# Allegro board LED_FIN.brd (continued)
## Nets (continued)
COL_OUT_A57: D2283.1(CATHODE) D2313.1(CATHODE) D2343.1(CATHODE) D2373.1(CATHODE) D2403.1(CATHODE) D2433.1(CATHODE) D2463.1(CATHODE) D2493.1(CATHODE) D2523.1(CATHODE) D2553.1(CATHODE) D2583.1(CATHODE) D2613.1(CATHODE) D2643.1(CATHODE) D2673.1(CATHODE) D2703.1(CATHODE) D2733.1(CATHODE) D2763.1(CATHODE) D2793.1(CATHODE) D2823.1(CATHODE) D2853.1(CATHODE) D2883.1(CATHODE) D2913.1(CATHODE) D2943.1(CATHODE) D2973.1(CATHODE) D3003.1(CATHODE) D3033.1(CATHODE) D3063.1(CATHODE) D3093.1(CATHODE) D3123.1(CATHODE) D3153.1(CATHODE) D3183.1(CATHODE) D3213.1(CATHODE) D3243.1(CATHODE) D3273.1(CATHODE) D3303.1(CATHODE) D3333.1(CATHODE) D3363.1(CATHODE) D3393.1(CATHODE) R63.1
COL_OUT_A58: D2282.1(CATHODE) D2312.1(CATHODE) D2342.1(CATHODE) D2372.1(CATHODE) D2402.1(CATHODE) D2432.1(CATHODE) D2462.1(CATHODE) D2492.1(CATHODE) D2522.1(CATHODE) D2552.1(CATHODE) D2582.1(CATHODE) D2612.1(CATHODE) D2642.1(CATHODE) D2672.1(CATHODE) D2702.1(CATHODE) D2732.1(CATHODE) D2762.1(CATHODE) D2792.1(CATHODE) D2822.1(CATHODE) D2852.1(CATHODE) D2882.1(CATHODE) D2912.1(CATHODE) D2942.1(CATHODE) D2972.1(CATHODE) D3002.1(CATHODE) D3032.1(CATHODE) D3062.1(CATHODE) D3092.1(CATHODE) D3122.1(CATHODE) D3152.1(CATHODE) D3182.1(CATHODE) D3212.1(CATHODE) D3242.1(CATHODE) D3272.1(CATHODE) D3302.1(CATHODE) D3332.1(CATHODE) D3362.1(CATHODE) D3392.1(CATHODE) R62.1
COL_OUT_A59: D2281.1(CATHODE) D2311.1(CATHODE) D2341.1(CATHODE) D2371.1(CATHODE) D2401.1(CATHODE) D2431.1(CATHODE) D2461.1(CATHODE) D2491.1(CATHODE) D2521.1(CATHODE) D2551.1(CATHODE) D2581.1(CATHODE) D2611.1(CATHODE) D2641.1(CATHODE) D2671.1(CATHODE) D2701.1(CATHODE) D2731.1(CATHODE) D2761.1(CATHODE) D2791.1(CATHODE) D2821.1(CATHODE) D2851.1(CATHODE) D2881.1(CATHODE) D2911.1(CATHODE) D2941.1(CATHODE) D2971.1(CATHODE) D3001.1(CATHODE) D3031.1(CATHODE) D3061.1(CATHODE) D3091.1(CATHODE) D3121.1(CATHODE) D3151.1(CATHODE) D3181.1(CATHODE) D3211.1(CATHODE) D3241.1(CATHODE) D3271.1(CATHODE) D3301.1(CATHODE) D3331.1(CATHODE) D3361.1(CATHODE) D3391.1(CATHODE) R61.1
COL_OUT_A60: D1170.1(CATHODE) D1200.1(CATHODE) D1230.1(CATHODE) D1260.1(CATHODE) D1290.1(CATHODE) D1320.1(CATHODE) D1350.1(CATHODE) D1380.1(CATHODE) D1410.1(CATHODE) D1440.1(CATHODE) D1470.1(CATHODE) D1500.1(CATHODE) D1530.1(CATHODE) D1560.1(CATHODE) D1590.1(CATHODE) D1620.1(CATHODE) D1650.1(CATHODE) D1680.1(CATHODE) D1710.1(CATHODE) D1740.1(CATHODE) D1770.1(CATHODE) D1800.1(CATHODE) D1830.1(CATHODE) D1860.1(CATHODE) D1890.1(CATHODE) D1920.1(CATHODE) D1950.1(CATHODE) D1980.1(CATHODE) D2010.1(CATHODE) D2040.1(CATHODE) D2070.1(CATHODE) D2100.1(CATHODE) D2130.1(CATHODE) D2160.1(CATHODE) D2190.1(CATHODE) D2220.1(CATHODE) D2250.1(CATHODE) D2280.1(CATHODE) R60.1
COL_OUT_A61: D1169.1(CATHODE) D1199.1(CATHODE) D1229.1(CATHODE) D1259.1(CATHODE) D1289.1(CATHODE) D1319.1(CATHODE) D1349.1(CATHODE) D1379.1(CATHODE) D1409.1(CATHODE) D1439.1(CATHODE) D1469.1(CATHODE) D1499.1(CATHODE) D1529.1(CATHODE) D1559.1(CATHODE) D1589.1(CATHODE) D1619.1(CATHODE) D1649.1(CATHODE) D1679.1(CATHODE) D1709.1(CATHODE) D1739.1(CATHODE) D1769.1(CATHODE) D1799.1(CATHODE) D1829.1(CATHODE) D1859.1(CATHODE) D1889.1(CATHODE) D1919.1(CATHODE) D1949.1(CATHODE) D1979.1(CATHODE) D2009.1(CATHODE) D2039.1(CATHODE) D2069.1(CATHODE) D2099.1(CATHODE) D2129.1(CATHODE) D2159.1(CATHODE) D2189.1(CATHODE) D2219.1(CATHODE) D2249.1(CATHODE) D2279.1(CATHODE) R59.1
COL_OUT_A62: D1168.1(CATHODE) D1198.1(CATHODE) D1228.1(CATHODE) D1258.1(CATHODE) D1288.1(CATHODE) D1318.1(CATHODE) D1348.1(CATHODE) D1378.1(CATHODE) D1408.1(CATHODE) D1438.1(CATHODE) D1468.1(CATHODE) D1498.1(CATHODE) D1528.1(CATHODE) D1558.1(CATHODE) D1588.1(CATHODE) D1618.1(CATHODE) D1648.1(CATHODE) D1678.1(CATHODE) D1708.1(CATHODE) D1738.1(CATHODE) D1768.1(CATHODE) D1798.1(CATHODE) D1828.1(CATHODE) D1858.1(CATHODE) D1888.1(CATHODE) D1918.1(CATHODE) D1948.1(CATHODE) D1978.1(CATHODE) D2008.1(CATHODE) D2038.1(CATHODE) D2068.1(CATHODE) D2098.1(CATHODE) D2128.1(CATHODE) D2158.1(CATHODE) D2188.1(CATHODE) D2218.1(CATHODE) D2248.1(CATHODE) D2278.1(CATHODE) R58.1
COL_OUT_A63: D1167.1(CATHODE) D1197.1(CATHODE) D1227.1(CATHODE) D1257.1(CATHODE) D1287.1(CATHODE) D1317.1(CATHODE) D1347.1(CATHODE) D1377.1(CATHODE) D1407.1(CATHODE) D1437.1(CATHODE) D1467.1(CATHODE) D1497.1(CATHODE) D1527.1(CATHODE) D1557.1(CATHODE) D1587.1(CATHODE) D1617.1(CATHODE) D1647.1(CATHODE) D1677.1(CATHODE) D1707.1(CATHODE) D1737.1(CATHODE) D1767.1(CATHODE) D1797.1(CATHODE) D1827.1(CATHODE) D1857.1(CATHODE) D1887.1(CATHODE) D1917.1(CATHODE) D1947.1(CATHODE) D1977.1(CATHODE) D2007.1(CATHODE) D2037.1(CATHODE) D2067.1(CATHODE) D2097.1(CATHODE) D2127.1(CATHODE) D2157.1(CATHODE) D2187.1(CATHODE) D2217.1(CATHODE) D2247.1(CATHODE) D2277.1(CATHODE) R57.1
COL_OUT_A64: D1166.1(CATHODE) D1196.1(CATHODE) D1226.1(CATHODE) D1256.1(CATHODE) D1286.1(CATHODE) D1316.1(CATHODE) D1346.1(CATHODE) D1376.1(CATHODE) D1406.1(CATHODE) D1436.1(CATHODE) D1466.1(CATHODE) D1496.1(CATHODE) D1526.1(CATHODE) D1556.1(CATHODE) D1586.1(CATHODE) D1616.1(CATHODE) D1646.1(CATHODE) D1676.1(CATHODE) D1706.1(CATHODE) D1736.1(CATHODE) D1766.1(CATHODE) D1796.1(CATHODE) D1826.1(CATHODE) D1856.1(CATHODE) D1886.1(CATHODE) D1916.1(CATHODE) D1946.1(CATHODE) D1976.1(CATHODE) D2006.1(CATHODE) D2036.1(CATHODE) D2066.1(CATHODE) D2096.1(CATHODE) D2126.1(CATHODE) D2156.1(CATHODE) D2186.1(CATHODE) D2216.1(CATHODE) D2246.1(CATHODE) D2276.1(CATHODE) R56.1
COL_OUT_A65: D1165.1(CATHODE) D1195.1(CATHODE) D1225.1(CATHODE) D1255.1(CATHODE) D1285.1(CATHODE) D1315.1(CATHODE) D1345.1(CATHODE) D1375.1(CATHODE) D1405.1(CATHODE) D1435.1(CATHODE) D1465.1(CATHODE) D1495.1(CATHODE) D1525.1(CATHODE) D1555.1(CATHODE) D1585.1(CATHODE) D1615.1(CATHODE) D1645.1(CATHODE) D1675.1(CATHODE) D1705.1(CATHODE) D1735.1(CATHODE) D1765.1(CATHODE) D1795.1(CATHODE) D1825.1(CATHODE) D1855.1(CATHODE) D1885.1(CATHODE) D1915.1(CATHODE) D1945.1(CATHODE) D1975.1(CATHODE) D2005.1(CATHODE) D2035.1(CATHODE) D2065.1(CATHODE) D2095.1(CATHODE) D2125.1(CATHODE) D2155.1(CATHODE) D2185.1(CATHODE) D2215.1(CATHODE) D2245.1(CATHODE) D2275.1(CATHODE) R55.1
COL_OUT_A66: D1164.1(CATHODE) D1194.1(CATHODE) D1224.1(CATHODE) D1254.1(CATHODE) D1284.1(CATHODE) D1314.1(CATHODE) D1344.1(CATHODE) D1374.1(CATHODE) D1404.1(CATHODE) D1434.1(CATHODE) D1464.1(CATHODE) D1494.1(CATHODE) D1524.1(CATHODE) D1554.1(CATHODE) D1584.1(CATHODE) D1614.1(CATHODE) D1644.1(CATHODE) D1674.1(CATHODE) D1704.1(CATHODE) D1734.1(CATHODE) D1764.1(CATHODE) D1794.1(CATHODE) D1824.1(CATHODE) D1854.1(CATHODE) D1884.1(CATHODE) D1914.1(CATHODE) D1944.1(CATHODE) D1974.1(CATHODE) D2004.1(CATHODE) D2034.1(CATHODE) D2064.1(CATHODE) D2094.1(CATHODE) D2124.1(CATHODE) D2154.1(CATHODE) D2184.1(CATHODE) D2214.1(CATHODE) D2244.1(CATHODE) D2274.1(CATHODE) R54.1
COL_OUT_A67: D1163.1(CATHODE) D1193.1(CATHODE) D1223.1(CATHODE) D1253.1(CATHODE) D1283.1(CATHODE) D1313.1(CATHODE) D1343.1(CATHODE) D1373.1(CATHODE) D1403.1(CATHODE) D1433.1(CATHODE) D1463.1(CATHODE) D1493.1(CATHODE) D1523.1(CATHODE) D1553.1(CATHODE) D1583.1(CATHODE) D1613.1(CATHODE) D1643.1(CATHODE) D1673.1(CATHODE) D1703.1(CATHODE) D1733.1(CATHODE) D1763.1(CATHODE) D1793.1(CATHODE) D1823.1(CATHODE) D1853.1(CATHODE) D1883.1(CATHODE) D1913.1(CATHODE) D1943.1(CATHODE) D1973.1(CATHODE) D2003.1(CATHODE) D2033.1(CATHODE) D2063.1(CATHODE) D2093.1(CATHODE) D2123.1(CATHODE) D2153.1(CATHODE) D2183.1(CATHODE) D2213.1(CATHODE) D2243.1(CATHODE) D2273.1(CATHODE) R53.1
COL_OUT_A68: D1162.1(CATHODE) D1192.1(CATHODE) D1222.1(CATHODE) D1252.1(CATHODE) D1282.1(CATHODE) D1312.1(CATHODE) D1342.1(CATHODE) D1372.1(CATHODE) D1402.1(CATHODE) D1432.1(CATHODE) D1462.1(CATHODE) D1492.1(CATHODE) D1522.1(CATHODE) D1552.1(CATHODE) D1582.1(CATHODE) D1612.1(CATHODE) D1642.1(CATHODE) D1672.1(CATHODE) D1702.1(CATHODE) D1732.1(CATHODE) D1762.1(CATHODE) D1792.1(CATHODE) D1822.1(CATHODE) D1852.1(CATHODE) D1882.1(CATHODE) D1912.1(CATHODE) D1942.1(CATHODE) D1972.1(CATHODE) D2002.1(CATHODE) D2032.1(CATHODE) D2062.1(CATHODE) D2092.1(CATHODE) D2122.1(CATHODE) D2152.1(CATHODE) D2182.1(CATHODE) D2212.1(CATHODE) D2242.1(CATHODE) D2272.1(CATHODE) R52.1
COL_OUT_A69: D1161.1(CATHODE) D1191.1(CATHODE) D1221.1(CATHODE) D1251.1(CATHODE) D1281.1(CATHODE) D1311.1(CATHODE) D1341.1(CATHODE) D1371.1(CATHODE) D1401.1(CATHODE) D1431.1(CATHODE) D1461.1(CATHODE) D1491.1(CATHODE) D1521.1(CATHODE) D1551.1(CATHODE) D1581.1(CATHODE) D1611.1(CATHODE) D1641.1(CATHODE) D1671.1(CATHODE) D1701.1(CATHODE) D1731.1(CATHODE) D1761.1(CATHODE) D1791.1(CATHODE) D1821.1(CATHODE) D1851.1(CATHODE) D1881.1(CATHODE) D1911.1(CATHODE) D1941.1(CATHODE) D1971.1(CATHODE) D2001.1(CATHODE) D2031.1(CATHODE) D2061.1(CATHODE) D2091.1(CATHODE) D2121.1(CATHODE) D2151.1(CATHODE) D2181.1(CATHODE) D2211.1(CATHODE) D2241.1(CATHODE) D2271.1(CATHODE) R51.1
COL_OUT_A70: D1160.1(CATHODE) D1190.1(CATHODE) D1220.1(CATHODE) D1250.1(CATHODE) D1280.1(CATHODE) D1310.1(CATHODE) D1340.1(CATHODE) D1370.1(CATHODE) D1400.1(CATHODE) D1430.1(CATHODE) D1460.1(CATHODE) D1490.1(CATHODE) D1520.1(CATHODE) D1550.1(CATHODE) D1580.1(CATHODE) D1610.1(CATHODE) D1640.1(CATHODE) D1670.1(CATHODE) D1700.1(CATHODE) D1730.1(CATHODE) D1760.1(CATHODE) D1790.1(CATHODE) D1820.1(CATHODE) D1850.1(CATHODE) D1880.1(CATHODE) D1910.1(CATHODE) D1940.1(CATHODE) D1970.1(CATHODE) D2000.1(CATHODE) D2030.1(CATHODE) D2060.1(CATHODE) D2090.1(CATHODE) D2120.1(CATHODE) D2150.1(CATHODE) D2180.1(CATHODE) D2210.1(CATHODE) D2240.1(CATHODE) D2270.1(CATHODE) R50.1
COL_OUT_A71: D1159.1(CATHODE) D1189.1(CATHODE) D1219.1(CATHODE) D1249.1(CATHODE) D1279.1(CATHODE) D1309.1(CATHODE) D1339.1(CATHODE) D1369.1(CATHODE) D1399.1(CATHODE) D1429.1(CATHODE) D1459.1(CATHODE) D1489.1(CATHODE) D1519.1(CATHODE) D1549.1(CATHODE) D1579.1(CATHODE) D1609.1(CATHODE) D1639.1(CATHODE) D1669.1(CATHODE) D1699.1(CATHODE) D1729.1(CATHODE) D1759.1(CATHODE) D1789.1(CATHODE) D1819.1(CATHODE) D1849.1(CATHODE) D1879.1(CATHODE) D1909.1(CATHODE) D1939.1(CATHODE) D1969.1(CATHODE) D1999.1(CATHODE) D2029.1(CATHODE) D2059.1(CATHODE) D2089.1(CATHODE) D2119.1(CATHODE) D2149.1(CATHODE) D2179.1(CATHODE) D2209.1(CATHODE) D2239.1(CATHODE) D2269.1(CATHODE) R49.1
COL_OUT_A72: D1158.1(CATHODE) D1188.1(CATHODE) D1218.1(CATHODE) D1248.1(CATHODE) D1278.1(CATHODE) D1308.1(CATHODE) D1338.1(CATHODE) D1368.1(CATHODE) D1398.1(CATHODE) D1428.1(CATHODE) D1458.1(CATHODE) D1488.1(CATHODE) D1518.1(CATHODE) D1548.1(CATHODE) D1578.1(CATHODE) D1608.1(CATHODE) D1638.1(CATHODE) D1668.1(CATHODE) D1698.1(CATHODE) D1728.1(CATHODE) D1758.1(CATHODE) D1788.1(CATHODE) D1818.1(CATHODE) D1848.1(CATHODE) D1878.1(CATHODE) D1908.1(CATHODE) D1938.1(CATHODE) D1968.1(CATHODE) D1998.1(CATHODE) D2028.1(CATHODE) D2058.1(CATHODE) D2088.1(CATHODE) D2118.1(CATHODE) D2148.1(CATHODE) D2178.1(CATHODE) D2208.1(CATHODE) D2238.1(CATHODE) D2268.1(CATHODE) R48.1
COL_OUT_A73: D1157.1(CATHODE) D1187.1(CATHODE) D1217.1(CATHODE) D1247.1(CATHODE) D1277.1(CATHODE) D1307.1(CATHODE) D1337.1(CATHODE) D1367.1(CATHODE) D1397.1(CATHODE) D1427.1(CATHODE) D1457.1(CATHODE) D1487.1(CATHODE) D1517.1(CATHODE) D1547.1(CATHODE) D1577.1(CATHODE) D1607.1(CATHODE) D1637.1(CATHODE) D1667.1(CATHODE) D1697.1(CATHODE) D1727.1(CATHODE) D1757.1(CATHODE) D1787.1(CATHODE) D1817.1(CATHODE) D1847.1(CATHODE) D1877.1(CATHODE) D1907.1(CATHODE) D1937.1(CATHODE) D1967.1(CATHODE) D1997.1(CATHODE) D2027.1(CATHODE) D2057.1(CATHODE) D2087.1(CATHODE) D2117.1(CATHODE) D2147.1(CATHODE) D2177.1(CATHODE) D2207.1(CATHODE) D2237.1(CATHODE) D2267.1(CATHODE) R47.1
COL_OUT_A74: D1156.1(CATHODE) D1186.1(CATHODE) D1216.1(CATHODE) D1246.1(CATHODE) D1276.1(CATHODE) D1306.1(CATHODE) D1336.1(CATHODE) D1366.1(CATHODE) D1396.1(CATHODE) D1426.1(CATHODE) D1456.1(CATHODE) D1486.1(CATHODE) D1516.1(CATHODE) D1546.1(CATHODE) D1576.1(CATHODE) D1606.1(CATHODE) D1636.1(CATHODE) D1666.1(CATHODE) D1696.1(CATHODE) D1726.1(CATHODE) D1756.1(CATHODE) D1786.1(CATHODE) D1816.1(CATHODE) D1846.1(CATHODE) D1876.1(CATHODE) D1906.1(CATHODE) D1936.1(CATHODE) D1966.1(CATHODE) D1996.1(CATHODE) D2026.1(CATHODE) D2056.1(CATHODE) D2086.1(CATHODE) D2116.1(CATHODE) D2146.1(CATHODE) D2176.1(CATHODE) D2206.1(CATHODE) D2236.1(CATHODE) D2266.1(CATHODE) R46.1
COL_OUT_A75: D1155.1(CATHODE) D1185.1(CATHODE) D1215.1(CATHODE) D1245.1(CATHODE) D1275.1(CATHODE) D1305.1(CATHODE) D1335.1(CATHODE) D1365.1(CATHODE) D1395.1(CATHODE) D1425.1(CATHODE) D1455.1(CATHODE) D1485.1(CATHODE) D1515.1(CATHODE) D1545.1(CATHODE) D1575.1(CATHODE) D1605.1(CATHODE) D1635.1(CATHODE) D1665.1(CATHODE) D1695.1(CATHODE) D1725.1(CATHODE) D1755.1(CATHODE) D1785.1(CATHODE) D1815.1(CATHODE) D1845.1(CATHODE) D1875.1(CATHODE) D1905.1(CATHODE) D1935.1(CATHODE) D1965.1(CATHODE) D1995.1(CATHODE) D2025.1(CATHODE) D2055.1(CATHODE) D2085.1(CATHODE) D2115.1(CATHODE) D2145.1(CATHODE) D2175.1(CATHODE) D2205.1(CATHODE) D2235.1(CATHODE) D2265.1(CATHODE) R45.1
COL_OUT_A76: D1154.1(CATHODE) D1184.1(CATHODE) D1214.1(CATHODE) D1244.1(CATHODE) D1274.1(CATHODE) D1304.1(CATHODE) D1334.1(CATHODE) D1364.1(CATHODE) D1394.1(CATHODE) D1424.1(CATHODE) D1454.1(CATHODE) D1484.1(CATHODE) D1514.1(CATHODE) D1544.1(CATHODE) D1574.1(CATHODE) D1604.1(CATHODE) D1634.1(CATHODE) D1664.1(CATHODE) D1694.1(CATHODE) D1724.1(CATHODE) D1754.1(CATHODE) D1784.1(CATHODE) D1814.1(CATHODE) D1844.1(CATHODE) D1874.1(CATHODE) D1904.1(CATHODE) D1934.1(CATHODE) D1964.1(CATHODE) D1994.1(CATHODE) D2024.1(CATHODE) D2054.1(CATHODE) D2084.1(CATHODE) D2114.1(CATHODE) D2144.1(CATHODE) D2174.1(CATHODE) D2204.1(CATHODE) D2234.1(CATHODE) D2264.1(CATHODE) R44.1
COL_OUT_A77: D1153.1(CATHODE) D1183.1(CATHODE) D1213.1(CATHODE) D1243.1(CATHODE) D1273.1(CATHODE) D1303.1(CATHODE) D1333.1(CATHODE) D1363.1(CATHODE) D1393.1(CATHODE) D1423.1(CATHODE) D1453.1(CATHODE) D1483.1(CATHODE) D1513.1(CATHODE) D1543.1(CATHODE) D1573.1(CATHODE) D1603.1(CATHODE) D1633.1(CATHODE) D1663.1(CATHODE) D1693.1(CATHODE) D1723.1(CATHODE) D1753.1(CATHODE) D1783.1(CATHODE) D1813.1(CATHODE) D1843.1(CATHODE) D1873.1(CATHODE) D1903.1(CATHODE) D1933.1(CATHODE) D1963.1(CATHODE) D1993.1(CATHODE) D2023.1(CATHODE) D2053.1(CATHODE) D2083.1(CATHODE) D2113.1(CATHODE) D2143.1(CATHODE) D2173.1(CATHODE) D2203.1(CATHODE) D2233.1(CATHODE) D2263.1(CATHODE) R43.1
COL_OUT_A78: D1152.1(CATHODE) D1182.1(CATHODE) D1212.1(CATHODE) D1242.1(CATHODE) D1272.1(CATHODE) D1302.1(CATHODE) D1332.1(CATHODE) D1362.1(CATHODE) D1392.1(CATHODE) D1422.1(CATHODE) D1452.1(CATHODE) D1482.1(CATHODE) D1512.1(CATHODE) D1542.1(CATHODE) D1572.1(CATHODE) D1602.1(CATHODE) D1632.1(CATHODE) D1662.1(CATHODE) D1692.1(CATHODE) D1722.1(CATHODE) D1752.1(CATHODE) D1782.1(CATHODE) D1812.1(CATHODE) D1842.1(CATHODE) D1872.1(CATHODE) D1902.1(CATHODE) D1932.1(CATHODE) D1962.1(CATHODE) D1992.1(CATHODE) D2022.1(CATHODE) D2052.1(CATHODE) D2082.1(CATHODE) D2112.1(CATHODE) D2142.1(CATHODE) D2172.1(CATHODE) D2202.1(CATHODE) D2232.1(CATHODE) D2262.1(CATHODE) R42.1
COL_OUT_A79: D1151.1(CATHODE) D1181.1(CATHODE) D1211.1(CATHODE) D1241.1(CATHODE) D1271.1(CATHODE) D1301.1(CATHODE) D1331.1(CATHODE) D1361.1(CATHODE) D1391.1(CATHODE) D1421.1(CATHODE) D1451.1(CATHODE) D1481.1(CATHODE) D1511.1(CATHODE) D1541.1(CATHODE) D1571.1(CATHODE) D1601.1(CATHODE) D1631.1(CATHODE) D1661.1(CATHODE) D1691.1(CATHODE) D1721.1(CATHODE) D1751.1(CATHODE) D1781.1(CATHODE) D1811.1(CATHODE) D1841.1(CATHODE) D1871.1(CATHODE) D1901.1(CATHODE) D1931.1(CATHODE) D1961.1(CATHODE) D1991.1(CATHODE) D2021.1(CATHODE) D2051.1(CATHODE) D2081.1(CATHODE) D2111.1(CATHODE) D2141.1(CATHODE) D2171.1(CATHODE) D2201.1(CATHODE) D2231.1(CATHODE) D2261.1(CATHODE) R41.1
COL_OUT_A80: D1150.1(CATHODE) D1180.1(CATHODE) D1210.1(CATHODE) D1240.1(CATHODE) D1270.1(CATHODE) D1300.1(CATHODE) D1330.1(CATHODE) D1360.1(CATHODE) D1390.1(CATHODE) D1420.1(CATHODE) D1450.1(CATHODE) D1480.1(CATHODE) D1510.1(CATHODE) D1540.1(CATHODE) D1570.1(CATHODE) D1600.1(CATHODE) D1630.1(CATHODE) D1660.1(CATHODE) D1690.1(CATHODE) D1720.1(CATHODE) D1750.1(CATHODE) D1780.1(CATHODE) D1810.1(CATHODE) D1840.1(CATHODE) D1870.1(CATHODE) D1900.1(CATHODE) D1930.1(CATHODE) D1960.1(CATHODE) D1990.1(CATHODE) D2020.1(CATHODE) D2050.1(CATHODE) D2080.1(CATHODE) D2110.1(CATHODE) D2140.1(CATHODE) D2170.1(CATHODE) D2200.1(CATHODE) D2230.1(CATHODE) D2260.1(CATHODE) R40.1
COL_OUT_A81: D1149.1(CATHODE) D1179.1(CATHODE) D1209.1(CATHODE) D1239.1(CATHODE) D1269.1(CATHODE) D1299.1(CATHODE) D1329.1(CATHODE) D1359.1(CATHODE) D1389.1(CATHODE) D1419.1(CATHODE) D1449.1(CATHODE) D1479.1(CATHODE) D1509.1(CATHODE) D1539.1(CATHODE) D1569.1(CATHODE) D1599.1(CATHODE) D1629.1(CATHODE) D1659.1(CATHODE) D1689.1(CATHODE) D1719.1(CATHODE) D1749.1(CATHODE) D1779.1(CATHODE) D1809.1(CATHODE) D1839.1(CATHODE) D1869.1(CATHODE) D1899.1(CATHODE) D1929.1(CATHODE) D1959.1(CATHODE) D1989.1(CATHODE) D2019.1(CATHODE) D2049.1(CATHODE) D2079.1(CATHODE) D2109.1(CATHODE) D2139.1(CATHODE) D2169.1(CATHODE) D2199.1(CATHODE) D2229.1(CATHODE) D2259.1(CATHODE) R39.1
COL_OUT_A82: D1148.1(CATHODE) D1178.1(CATHODE) D1208.1(CATHODE) D1238.1(CATHODE) D1268.1(CATHODE) D1298.1(CATHODE) D1328.1(CATHODE) D1358.1(CATHODE) D1388.1(CATHODE) D1418.1(CATHODE) D1448.1(CATHODE) D1478.1(CATHODE) D1508.1(CATHODE) D1538.1(CATHODE) D1568.1(CATHODE) D1598.1(CATHODE) D1628.1(CATHODE) D1658.1(CATHODE) D1688.1(CATHODE) D1718.1(CATHODE) D1748.1(CATHODE) D1778.1(CATHODE) D1808.1(CATHODE) D1838.1(CATHODE) D1868.1(CATHODE) D1898.1(CATHODE) D1928.1(CATHODE) D1958.1(CATHODE) D1988.1(CATHODE) D2018.1(CATHODE) D2048.1(CATHODE) D2078.1(CATHODE) D2108.1(CATHODE) D2138.1(CATHODE) D2168.1(CATHODE) D2198.1(CATHODE) D2228.1(CATHODE) D2258.1(CATHODE) R38.1
COL_OUT_A83: D1147.1(CATHODE) D1177.1(CATHODE) D1207.1(CATHODE) D1237.1(CATHODE) D1267.1(CATHODE) D1297.1(CATHODE) D1327.1(CATHODE) D1357.1(CATHODE) D1387.1(CATHODE) D1417.1(CATHODE) D1447.1(CATHODE) D1477.1(CATHODE) D1507.1(CATHODE) D1537.1(CATHODE) D1567.1(CATHODE) D1597.1(CATHODE) D1627.1(CATHODE) D1657.1(CATHODE) D1687.1(CATHODE) D1717.1(CATHODE) D1747.1(CATHODE) D1777.1(CATHODE) D1807.1(CATHODE) D1837.1(CATHODE) D1867.1(CATHODE) D1897.1(CATHODE) D1927.1(CATHODE) D1957.1(CATHODE) D1987.1(CATHODE) D2017.1(CATHODE) D2047.1(CATHODE) D2077.1(CATHODE) D2107.1(CATHODE) D2137.1(CATHODE) D2167.1(CATHODE) D2197.1(CATHODE) D2227.1(CATHODE) D2257.1(CATHODE) R37.1
COL_OUT_A84: D1146.1(CATHODE) D1176.1(CATHODE) D1206.1(CATHODE) D1236.1(CATHODE) D1266.1(CATHODE) D1296.1(CATHODE) D1326.1(CATHODE) D1356.1(CATHODE) D1386.1(CATHODE) D1416.1(CATHODE) D1446.1(CATHODE) D1476.1(CATHODE) D1506.1(CATHODE) D1536.1(CATHODE) D1566.1(CATHODE) D1596.1(CATHODE) D1626.1(CATHODE) D1656.1(CATHODE) D1686.1(CATHODE) D1716.1(CATHODE) D1746.1(CATHODE) D1776.1(CATHODE) D1806.1(CATHODE) D1836.1(CATHODE) D1866.1(CATHODE) D1896.1(CATHODE) D1926.1(CATHODE) D1956.1(CATHODE) D1986.1(CATHODE) D2016.1(CATHODE) D2046.1(CATHODE) D2076.1(CATHODE) D2106.1(CATHODE) D2136.1(CATHODE) D2166.1(CATHODE) D2196.1(CATHODE) D2226.1(CATHODE) D2256.1(CATHODE) R36.1
COL_OUT_A85: D1145.1(CATHODE) D1175.1(CATHODE) D1205.1(CATHODE) D1235.1(CATHODE) D1265.1(CATHODE) D1295.1(CATHODE) D1325.1(CATHODE) D1355.1(CATHODE) D1385.1(CATHODE) D1415.1(CATHODE) D1445.1(CATHODE) D1475.1(CATHODE) D1505.1(CATHODE) D1535.1(CATHODE) D1565.1(CATHODE) D1595.1(CATHODE) D1625.1(CATHODE) D1655.1(CATHODE) D1685.1(CATHODE) D1715.1(CATHODE) D1745.1(CATHODE) D1775.1(CATHODE) D1805.1(CATHODE) D1835.1(CATHODE) D1865.1(CATHODE) D1895.1(CATHODE) D1925.1(CATHODE) D1955.1(CATHODE) D1985.1(CATHODE) D2015.1(CATHODE) D2045.1(CATHODE) D2075.1(CATHODE) D2105.1(CATHODE) D2135.1(CATHODE) D2165.1(CATHODE) D2195.1(CATHODE) D2225.1(CATHODE) D2255.1(CATHODE) R35.1
COL_OUT_A86: D1144.1(CATHODE) D1174.1(CATHODE) D1204.1(CATHODE) D1234.1(CATHODE) D1264.1(CATHODE) D1294.1(CATHODE) D1324.1(CATHODE) D1354.1(CATHODE) D1384.1(CATHODE) D1414.1(CATHODE) D1444.1(CATHODE) D1474.1(CATHODE) D1504.1(CATHODE) D1534.1(CATHODE) D1564.1(CATHODE) D1594.1(CATHODE) D1624.1(CATHODE) D1654.1(CATHODE) D1684.1(CATHODE) D1714.1(CATHODE) D1744.1(CATHODE) D1774.1(CATHODE) D1804.1(CATHODE) D1834.1(CATHODE) D1864.1(CATHODE) D1894.1(CATHODE) D1924.1(CATHODE) D1954.1(CATHODE) D1984.1(CATHODE) D2014.1(CATHODE) D2044.1(CATHODE) D2074.1(CATHODE) D2104.1(CATHODE) D2134.1(CATHODE) D2164.1(CATHODE) D2194.1(CATHODE) D2224.1(CATHODE) D2254.1(CATHODE) R34.1
COL_OUT_A87: D1143.1(CATHODE) D1173.1(CATHODE) D1203.1(CATHODE) D1233.1(CATHODE) D1263.1(CATHODE) D1293.1(CATHODE) D1323.1(CATHODE) D1353.1(CATHODE) D1383.1(CATHODE) D1413.1(CATHODE) D1443.1(CATHODE) D1473.1(CATHODE) D1503.1(CATHODE) D1533.1(CATHODE) D1563.1(CATHODE) D1593.1(CATHODE) D1623.1(CATHODE) D1653.1(CATHODE) D1683.1(CATHODE) D1713.1(CATHODE) D1743.1(CATHODE) D1773.1(CATHODE) D1803.1(CATHODE) D1833.1(CATHODE) D1863.1(CATHODE) D1893.1(CATHODE) D1923.1(CATHODE) D1953.1(CATHODE) D1983.1(CATHODE) D2013.1(CATHODE) D2043.1(CATHODE) D2073.1(CATHODE) D2103.1(CATHODE) D2133.1(CATHODE) D2163.1(CATHODE) D2193.1(CATHODE) D2223.1(CATHODE) D2253.1(CATHODE) R33.1
COL_OUT_A88: D1142.1(CATHODE) D1172.1(CATHODE) D1202.1(CATHODE) D1232.1(CATHODE) D1262.1(CATHODE) D1292.1(CATHODE) D1322.1(CATHODE) D1352.1(CATHODE) D1382.1(CATHODE) D1412.1(CATHODE) D1442.1(CATHODE) D1472.1(CATHODE) D1502.1(CATHODE) D1532.1(CATHODE) D1562.1(CATHODE) D1592.1(CATHODE) D1622.1(CATHODE) D1652.1(CATHODE) D1682.1(CATHODE) D1712.1(CATHODE) D1742.1(CATHODE) D1772.1(CATHODE) D1802.1(CATHODE) D1832.1(CATHODE) D1862.1(CATHODE) D1892.1(CATHODE) D1922.1(CATHODE) D1952.1(CATHODE) D1982.1(CATHODE) D2012.1(CATHODE) D2042.1(CATHODE) D2072.1(CATHODE) D2102.1(CATHODE) D2132.1(CATHODE) D2162.1(CATHODE) D2192.1(CATHODE) D2222.1(CATHODE) D2252.1(CATHODE) R32.1
COL_OUT_A89: D1141.1(CATHODE) D1171.1(CATHODE) D1201.1(CATHODE) D1231.1(CATHODE) D1261.1(CATHODE) D1291.1(CATHODE) D1321.1(CATHODE) D1351.1(CATHODE) D1381.1(CATHODE) D1411.1(CATHODE) D1441.1(CATHODE) D1471.1(CATHODE) D1501.1(CATHODE) D1531.1(CATHODE) D1561.1(CATHODE) D1591.1(CATHODE) D1621.1(CATHODE) D1651.1(CATHODE) D1681.1(CATHODE) D1711.1(CATHODE) D1741.1(CATHODE) D1771.1(CATHODE) D1801.1(CATHODE) D1831.1(CATHODE) D1861.1(CATHODE) D1891.1(CATHODE) D1921.1(CATHODE) D1951.1(CATHODE) D1981.1(CATHODE) D2011.1(CATHODE) D2041.1(CATHODE) D2071.1(CATHODE) D2101.1(CATHODE) D2131.1(CATHODE) D2161.1(CATHODE) D2191.1(CATHODE) D2221.1(CATHODE) D2251.1(CATHODE) R31.1
COL_OUT_A90: D30.1(CATHODE) D60.1(CATHODE) D90.1(CATHODE) D120.1(CATHODE) D150.1(CATHODE) D180.1(CATHODE) D210.1(CATHODE) D240.1(CATHODE) D270.1(CATHODE) D300.1(CATHODE) D330.1(CATHODE) D360.1(CATHODE) D390.1(CATHODE) D420.1(CATHODE) D450.1(CATHODE) D480.1(CATHODE) D510.1(CATHODE) D540.1(CATHODE) D570.1(CATHODE) D600.1(CATHODE) D630.1(CATHODE) D660.1(CATHODE) D690.1(CATHODE) D720.1(CATHODE) D750.1(CATHODE) D780.1(CATHODE) D810.1(CATHODE) D840.1(CATHODE) D870.1(CATHODE) D900.1(CATHODE) D930.1(CATHODE) D960.1(CATHODE) D990.1(CATHODE) D1020.1(CATHODE) D1050.1(CATHODE) D1080.1(CATHODE) D1110.1(CATHODE) D1140.1(CATHODE) R30.1
COL_OUT_A91: D29.1(CATHODE) D59.1(CATHODE) D89.1(CATHODE) D119.1(CATHODE) D149.1(CATHODE) D179.1(CATHODE) D209.1(CATHODE) D239.1(CATHODE) D269.1(CATHODE) D299.1(CATHODE) D329.1(CATHODE) D359.1(CATHODE) D389.1(CATHODE) D419.1(CATHODE) D449.1(CATHODE) D479.1(CATHODE) D509.1(CATHODE) D539.1(CATHODE) D569.1(CATHODE) D599.1(CATHODE) D629.1(CATHODE) D659.1(CATHODE) D689.1(CATHODE) D719.1(CATHODE) D749.1(CATHODE) D779.1(CATHODE) D809.1(CATHODE) D839.1(CATHODE) D869.1(CATHODE) D899.1(CATHODE) D929.1(CATHODE) D959.1(CATHODE) D989.1(CATHODE) D1019.1(CATHODE) D1049.1(CATHODE) D1079.1(CATHODE) D1109.1(CATHODE) D1139.1(CATHODE) R29.1
COL_OUT_A92: D28.1(CATHODE) D58.1(CATHODE) D88.1(CATHODE) D118.1(CATHODE) D148.1(CATHODE) D178.1(CATHODE) D208.1(CATHODE) D238.1(CATHODE) D268.1(CATHODE) D298.1(CATHODE) D328.1(CATHODE) D358.1(CATHODE) D388.1(CATHODE) D418.1(CATHODE) D448.1(CATHODE) D478.1(CATHODE) D508.1(CATHODE) D538.1(CATHODE) D568.1(CATHODE) D598.1(CATHODE) D628.1(CATHODE) D658.1(CATHODE) D688.1(CATHODE) D718.1(CATHODE) D748.1(CATHODE) D778.1(CATHODE) D808.1(CATHODE) D838.1(CATHODE) D868.1(CATHODE) D898.1(CATHODE) D928.1(CATHODE) D958.1(CATHODE) D988.1(CATHODE) D1018.1(CATHODE) D1048.1(CATHODE) D1078.1(CATHODE) D1108.1(CATHODE) D1138.1(CATHODE) R28.1
COL_OUT_A93: D27.1(CATHODE) D57.1(CATHODE) D87.1(CATHODE) D117.1(CATHODE) D147.1(CATHODE) D177.1(CATHODE) D207.1(CATHODE) D237.1(CATHODE) D267.1(CATHODE) D297.1(CATHODE) D327.1(CATHODE) D357.1(CATHODE) D387.1(CATHODE) D417.1(CATHODE) D447.1(CATHODE) D477.1(CATHODE) D507.1(CATHODE) D537.1(CATHODE) D567.1(CATHODE) D597.1(CATHODE) D627.1(CATHODE) D657.1(CATHODE) D687.1(CATHODE) D717.1(CATHODE) D747.1(CATHODE) D777.1(CATHODE) D807.1(CATHODE) D837.1(CATHODE) D867.1(CATHODE) D897.1(CATHODE) D927.1(CATHODE) D957.1(CATHODE) D987.1(CATHODE) D1017.1(CATHODE) D1047.1(CATHODE) D1077.1(CATHODE) D1107.1(CATHODE) D1137.1(CATHODE) R27.1
